# Altium PCB PCBV3.PcbDoc (part 2 of 3) (continued)
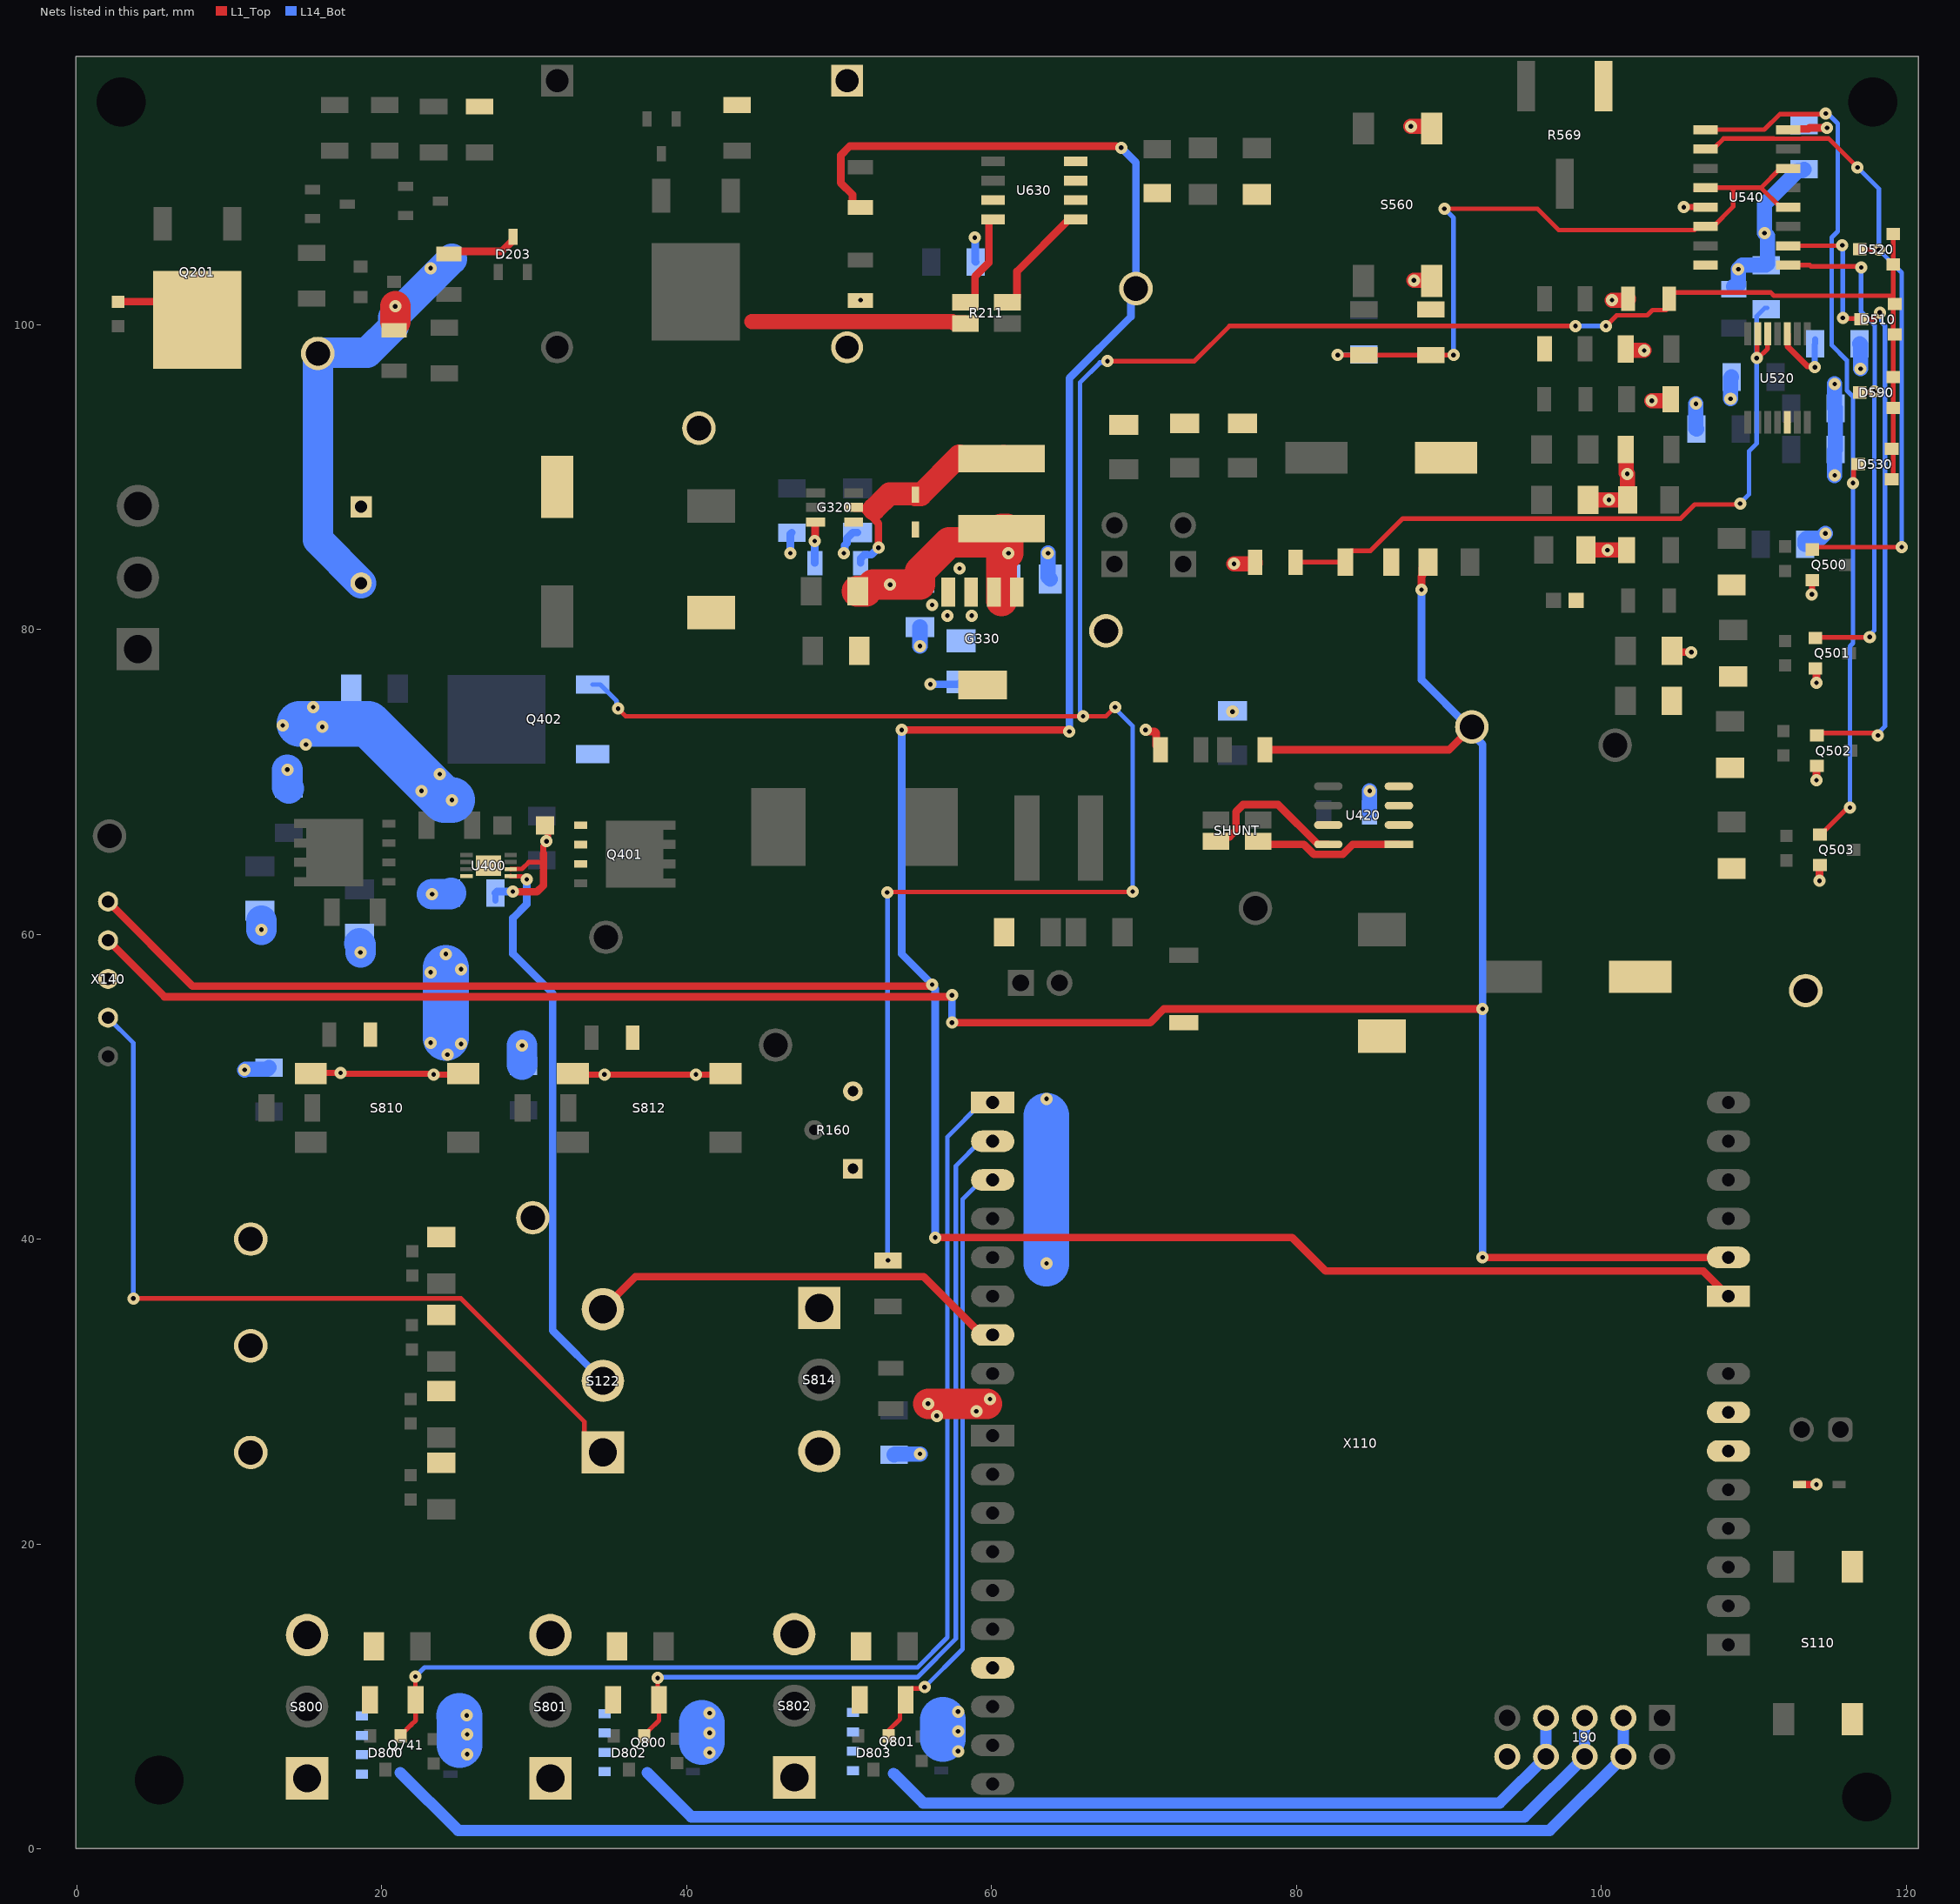
[diagram p2: the nets of this part, all layers, seen from the top]
## Part data (continued)
  S122: MPN=500SSP1S2M2QEA
SHUNT: library part 644055, "RES / STD / 15mR / 500mW / 1% / 75ppm/K / -55°C to 155°C / 1206 (3216) / SMD / -", Manufacturer=Ohmite, Package Description="Resistor, SMD, 4 pin, 3.00 mm L X 1.60 mm W X 0.65 mm H body", Supplier Part Number 1=3274221, Temperature max=155, Temperature min=-55, Temperature Range=Military, Tolerance Neg=1%, Alternate View=Yes, Application=Precision, Article Number=644055, Automotive Qualified=No, Combined Parameters=TCR:75ppm/K;Tol.:-1%/+1%;Vdc:-;Idc:-;P:500mW, ComponentLink1Description="Vendor WebSite", ComponentLink1URL=http://www.ohmite.com, ComponentLink2Description=Datasheet, ComponentLink2URL=http://webnetprod.muc.infineon.com/PCBPortal_Prod/WorkFlows/AltiumComponent/StandardDocumentation?Versionid=644056, ComponentStatus=Released, Manufacturer Order Number=L4T12FR015FER, Multiple Parts=No, PackageReference="1206 (3216)", Part Type=Resistor, PLMStatus=Active, QuickPick="15mR / 1% / 0.5 / 1206 (3216)", RoHS Compliant=Y, Second Source allowed=Yes, Style="4-Terminal (Shunt)", Supplier 1=Farnell, Supplier 2=DigiKey, Supplier 3=Mouser, Supplier Part Number 2=273-L4T12FR015FERCT-ND, Supplier Part Number 3=284-L4T12FR015FER, Symbol Type="Resistor; 4-Terminal (Shunt); Standard; 4 Pins", Technology="Thick Film", Tolerance Pos=1%, Type=Standard, Version Number=V01
TP100 TP101 TP104 TP105: library part 382410, "PC Test Point-Multipurpose THT, Black", Legacy PartNumber=CON01500530, Manufacturer="Keystone Electronics Corp.", Package Description="Test Point, 1.78 mm Lead Width, Round, 3.17 mm Dia X 8.28 mm H body", Supplier Part Number 1=2431148, Temperature max=0, Temperature Range=Military, Voltage DC (max)=na, Alternate View=Yes, Application=Test, Article Number=382410, Automotive Qualified=No, Combined Parameters="Board-to-Cable None (onboard);1x1;Mounting:THT;Orient:0° (vertical);Shielded:No", ComponentLink1Description="Vendor WebSite", ComponentLink1URL=http://www.keyelco.com/, ComponentLink2Description=Datasheet, ComponentLink2URL=http://webnetprod.muc.infineon.com/PCBPortal_Prod/WorkFlows/AltiumComponent/StandardDocumentation?Versionid=382411, ComponentStatus=Released, Legacy DeviceID=KEY_5011, Manufacturer Order Number=5011, Multiple Parts=No, Part Type=Connector, PLMStatus=Active, QuickPick="0° (vertical) / Board-to-Cable", RoHS Compliant=Y, Second Source allowed=Yes, Style="Not Applicable", Supplier 1=Farnell, Supplier 2=DigiKey, Supplier 3=Mouser, Supplier Part Number 2=36-5011-ND, Supplier Part Number 3=534-5011, Symbol Type="Connector, 1 Lead, Female", Temperature min=0, Type=Board-to-Cable, Version Number=V01
TP102 TP103: library part 382410, "PC Test Point-Multipurpose THT, Black", LCSC Part #=C238127, Legacy PartNumber=CON01500530, Manufacturer="Keystone Electronics Corp.", Package Description="Test Point, 1.78 mm Lead Width, Round, 3.17 mm Dia X 8.28 mm H body", Supplier Part Number 1=2431148, Temperature max=0, Temperature Range=Military, Voltage DC (max)=na, Alternate View=Yes, Application=Test, Article Number=382410, Automotive Qualified=No, Combined Parameters="Board-to-Cable None (onboard);1x1;Mounting:THT;Orient:0° (vertical);Shielded:No", ComponentLink1Description="Vendor WebSite", ComponentLink1URL=http://www.keyelco.com/, ComponentLink2Description=Datasheet, ComponentLink2URL=http://webnetprod.muc.infineon.com/PCBPortal_Prod/WorkFlows/AltiumComponent/StandardDocumentation?Versionid=382411, ComponentStatus=Released, Legacy DeviceID=KEY_5011, Manufacturer Order Number=5011, Multiple Parts=No, Part Type=Connector, PLMStatus=Active, QuickPick="0° (vertical) / Board-to-Cable", RoHS Compliant=Y, Second Source allowed=Yes, Style="Not Applicable", Supplier 1=Farnell, Supplier 2=DigiKey, Supplier 3=Mouser, Supplier Part Number 2=36-5011-ND, Supplier Part Number 3=534-5011, Symbol Type="Connector, 1 Lead, Female", Temperature min=0, Type=Board-to-Cable, Version Number=V01
  TP102: MPN=5011
TP160: library part 382400, "PC Test Point-Multipurpose THT, Red", LCSC Part #=C2906765, Legacy PartNumber=CON01500529, Manufacturer="Keystone Electronics Corp.", Package Description="Test Point, 1.78 mm Lead Width, Round, 3.17 mm Dia X 8.28 mm H body", Supplier Part Number 1=2301288, Temperature max=0, Temperature Range=Military, Voltage DC (max)=na, Alternate View=Yes, Application=Test, Article Number=382400, Automotive Qualified=No, Combined Parameters="Board-to-Cable None (onboard);1x1;Mounting:THT;Orient:0° (vertical);Shielded:No", ComponentLink1Description="Vendor WebSite", ComponentLink1URL=http://www.keyelco.com/, ComponentLink2Description=Datasheet, ComponentLink2URL=http://webnetprod.muc.infineon.com/PCBPortal_Prod/WorkFlows/AltiumComponent/StandardDocumentation?Versionid=382401, ComponentStatus=Released, Legacy DeviceID=KEY_5010, Manufacturer Order Number=5010, MPN=5010, Multiple Parts=No, Part Type=Connector, PLMStatus=Active, QuickPick="0° (vertical) / Board-to-Cable", RoHS Compliant=Y, Second Source allowed=Yes, Style="Not Applicable", Supplier 1=Farnell, Supplier 2=DigiKey, Supplier 3=Mouser, Supplier Part Number 2=36-5010-ND, Supplier Part Number 3=534-5010, Symbol Type="Connector, 1 Lead, Female", Temperature min=0, Type=Board-to-Cable, Version Number=V01
TP211 TP320 TP400 TP401 TP431 TP532 TP600 TP630: library part 382400, "PC Test Point-Multipurpose THT, Red", Legacy PartNumber=CON01500529, Manufacturer="Keystone Electronics Corp.", Package Description="Test Point, 1.78 mm Lead Width, Round, 3.17 mm Dia X 8.28 mm H body", Supplier Part Number 1=2301288, Temperature max=0, Temperature Range=Military, Voltage DC (max)=na, Alternate View=Yes, Application=Test, Article Number=382400, Automotive Qualified=No, Combined Parameters="Board-to-Cable None (onboard);1x1;Mounting:THT;Orient:0° (vertical);Shielded:No", ComponentLink1Description="Vendor WebSite", ComponentLink1URL=http://www.keyelco.com/, ComponentLink2Description=Datasheet, ComponentLink2URL=http://webnetprod.muc.infineon.com/PCBPortal_Prod/WorkFlows/AltiumComponent/StandardDocumentation?Versionid=382401, ComponentStatus=Released, Legacy DeviceID=KEY_5010, Manufacturer Order Number=5010, Multiple Parts=No, Part Type=Connector, PLMStatus=Active, QuickPick="0° (vertical) / Board-to-Cable", RoHS Compliant=Y, Second Source allowed=Yes, Style="Not Applicable", Supplier 1=Farnell, Supplier 2=DigiKey, Supplier 3=Mouser, Supplier Part Number 2=36-5010-ND, Supplier Part Number 3=534-5010, Symbol Type="Connector, 1 Lead, Female", Temperature min=0, Type=Board-to-Cable, Version Number=V01
U400: "High Speed Synchronous N-Channel MOSFET Driver", LCSC Part #=C580913, MPN=LTC4449EDCB#TRMPBF, Package=None, Supplier Part Number 1=584-C4449EDCBTRMPBF, Availability=Unavailable, MP=LTC4449EDCBTRMPBF, Price=None, Supplier 1=Mouser
U420: library part CMP-12131-000017-1, "IC CURRENT SENSE 1 CIRCUIT 8SOIC", LCSC Part #=C4370994, MPN=TSC2010HYDT
U520: library part 409035, "Quad Differential Comparator", Legacy PartNumber=IC02600564, Manufacturer="Texas Instruments", Supplier Part Number 1=2436009, Temperature max=0, Temperature Range=Military, Voltage DC (max)=na, Alternate View=Yes, Article Number=409035, Automotive Qualified=No, Combined Parameters=Res.:-;Fmax:-, ComponentLink1Description="Vendor WebSite", ComponentLink1URL=http://www.ti.com, ComponentLink2Description=Datasheet, ComponentLink2URL=http://webnetprod.muc.infineon.com/PCBPortal_Prod/WorkFlows/AltiumComponent/StandardDocumentation?Versionid=409036, ComponentStatus=Released, Legacy DeviceID=TI_LM339, Manufacturer Order Number=LM339PWR, MPN=LM339PWR, PackageReference="TSSOP-14 (PW)", Part Type="Analog Parts", PLMStatus=Active, QuickPick="TSSOP-14 (PW)", Second Source allowed=Yes, Supplier 1=Farnell, Supplier 2=DigiKey, Supplier 3=Mouser, Supplier Part Number 2=296-6607-2-ND, Supplier Part Number 3=595-LM339PWR, Symbol Type="Quad Differential Comparator", Temperature min=0, Version Number=V01
U540: library part 648079, "Quad R/S latch with 3-state outputs", Manufacturer=Nexperia, Package Description="SOIC,1.27mm pitch;16 pin,3.90mm W X 9.90mm L X 1.75mm H body", Temperature max=85, Temperature min=-40, Temperature Range=Industrial, Voltage DC (max)=na, Alternate View=No, Article Number=648079, Automotive Qualified=No, Combined Parameters="- Digital;Vdc min/max:3V/15V;Iout:2.4mA;Fmax:-", ComponentLink1Description="Vendor WebSite", ComponentLink1URL=http://www.nexperia.com, ComponentLink2Description=Datasheet, ComponentLink2URL=http://webnetprod.muc.infineon.com/PCBPortal_Prod/WorkFlows/AltiumComponent/StandardDocumentation?Versionid=648080, ComponentStatus=Released, Legacy DeviceID=NEX_HEF4043BT,653, Manufacturer Order Number=HEF4043BT,653, MPN=HEF4043BT,653, Multiple Parts=No, PackageReference=SO-16, Part Type="Integrated Circuit", PLMStatus=Active, QuickPick=SO-16, RoHS Compliant=Y, Second Source allowed=Yes, Supplier 1=Farnell, Supplier 2=DigiKey, Supplier 3=Mouser, Supplier Part Number 2=1727-1799-1-ND, Supplier Part Number 3=771-HEF4043BT653, Symbol Type="Quad R/S latch with 3-state outputs", Type=Digital, Version Number=V00
U630: "Integrated Circuit", Manufacturer_Name=STMicroelectronics, Mouser Part Number=511-TSC2011HYDT, Arrow Part Number=TSC2011HYDT, Arrow Price/Stock=https://www.arrow.com/en/products/tsc2011hydt/stmicroelectronics?utm_currency=USD&region=nac, Datasheet Link=https://www.st.com/resource/en/datasheet/tsc2010h.pdf, Height=1.75mm, Manufacturer_Part_Number=TSC2011HYDT, Mouser Price/Stock=https://www.mouser.co.uk/ProductDetail/STMicroelectronics/TSC2011HYDT?qs=XAiT9M5g4x%2FISpfhIc7UDw%3D%3D, MPN=TSC2011HYDT
X100: library part 377341, "Banana Socket, Red, 17.5mm Pitch", Legacy PartNumber=CON01500041, Manufacturer="Hirschmann Test & Measurement", Manufacturer Component Status=Active, MPN=973582101, Package Description="Banana Jack, 2 pins, 17.5mm Pitch, 21mm L X 7.5mm W X 10.5mm H body", Supplier Part Number 1=497332, Temperature max=85, Temperature min=-25, Temperature Range=Military, Voltage DC (max)=na, Article Number=377341, Combined Parameters="Board-to-Cable Socket (female);2x1;Mounting:THT;Orient:90° (right angle);Shielded:No", ComponentLink1Description="Vendor WebSite", ComponentLink1URL=http://www.sks-kontakt.de/, ComponentLink2Description=Datasheet, ComponentLink2URL=http://webnetprod.muc.infineon.com/PCBPortal_Prod/WorkFlows/AltiumComponent/StandardDocumentation?Versionid=377342, ComponentStatus=Released, Legacy DeviceID="HTM_973 582- 101", Manufacturer Order Number="973 582-101", Part Type=Connector, PLMStatus=Active, QuickPick="90° (right angle) / Board-to-Cable", RoHS Compliant=N, Second Source allowed=Yes, Style=Banana, Supplier 1=Farnell, Supplier 2=DigiKey, Supplier 3=Mouser, Supplier Part Number 3=845-973582101, Symbol Type="Banana Socket 2 Pins", Type=Board-to-Cable, Version Number=V01
X101: library part 377401, "Banana Socket, black, 17.5mm Pitch", Legacy PartNumber=CON01500045, Manufacturer="Hirschmann Test & Measurement", Manufacturer Component Status=Active, MPN=973582100, Package Description="Banana Jack, 2 pins, 17.5mm Pitch, 21mm L X 7.5mm W X 10.5mm H body", Supplier Part Number 1=497344, Temperature max=85, Temperature min=-25, Temperature Range=Military, Voltage DC (max)=na, Article Number=377401, Automotive Qualified=No, Combined Parameters="Board-to-Cable Socket (female);-x-;Mounting:THT;Orient:90° (right angle);Shielded:No", ComponentLink1Description="Vendor WebSite", ComponentLink1URL=http://www.sks-kontakt.de/, ComponentLink2Description=Datasheet, ComponentLink2URL=http://webnetprod.muc.infineon.com/PCBPortal_Prod/WorkFlows/AltiumComponent/StandardDocumentation?Versionid=377402, ComponentStatus=Released, Legacy DeviceID="HTM_973 582- 100", Manufacturer Order Number="973 582-100", Part Type=Connector, PLMStatus=Active, QuickPick="90° (right angle) / Board-to-Cable", RoHS Compliant=N, Second Source allowed=Yes, Style=Banana, Supplier 1=Farnell, Supplier 2=DigiKey, Supplier 3=Mouser, Supplier Part Number 3=845-973582100, Symbol Type="Banana Socket 2 Pins", Type=Board-to-Cable, Version Number=V01
X110: library part 644888, "Arduino Uno is a microcontroller board based on the ATmega328P", Manufacturer="Infineon Technologies", Package Description="Arduino-Uno, THT, 32 Pin, 68.58 mm L X 53.34 mm W X 8.64 mm H body", Temperature max=85, Temperature min=-40, Temperature Range=Industrial, Voltage DC (max)=na, Alternate View=Yes, Article Number=644888, Automotive Qualified=No, Combined Parameters="Board-to-Board Socket (female);-x-;Mounting:THT;Orient:0° (vertical);Shielded:-", ComponentLink1Description="Vendor WebSite", ComponentLink1URL=https://www.infineon.com/, ComponentLink2Description=Datasheet, ComponentStatus=Released, Legacy DeviceID=Infineon_Arduino-Uno, Manufacturer Order Number=Arduino-Uno, Multiple Parts=Yes, PackageReference=THT, Part Type=Connector, PLMStatus=Active, QuickPick="0° (vertical) / Board-to-Board", RoHS Compliant=N, Second Source allowed=Yes, Supplier 1=Farnell, Supplier 2=DigiKey, Supplier 3=Mouser, Symbol Type="Arduino Uno is a microcontroller board based on the ATmega328P", Type=Board-to-Board, Version Number=V01
X140: "Connector", Manufacturer_Name=SAMTEC, Datasheet Link=http://suddendocs.samtec.com/prints/ces-1xx-xx-x-s-xx-mkt.pdf, Manufacturer_Part_Number=CES-105-01-L-S, MPN=CES-105-01-L-S

## Via types
v1: diameter 0.8, hole 0.3, L1_Top to L14_Bot, tented both sides, 244 vias

## Nets (pads, with @x,y where several pads share a name; then routed paths per layer and width w, separated by ;. In a path a pad name is that pad's centre, name@x,y a point inside that pad or via, vN(x,y) a via of type N, cw(c..) or ccw(c..) an arc to the next point about the centre after c; other vN are vias at no path point)
5V: C332.1 C400.2 C520.1 C540.2 D112.2 D400.2 G330.3 G330.4 Q402.3 Q500.2 Q501.2 Q502.2 Q503.2 R160.3 R500.2 R501.2 R503.2 R504.2 R509.2 R527.2 R532.2 R560.2 R562.2 R565.2 R611.2 R636.2 S560.3 S560.4 S800.3 S801.3 S802.3 S810.3 S810.4 S812.3 S812.4 S814.3 TP320.1 U400.6 U520.3 U540.5 U540.16 | length 69.2
  L1_Top w0.3: U400.6@28.448,64.271 28.458,64.282 29.192,64.282 29.639,64.729 30.6,64.729 ; v1(70.1,73.4) v1@70.196,73.304 ; R611.2@70.799,72.375 R611.2@71.074,72.1 ; R500.2@104.626,78.6 R500.2@104.726,78.5 ; Q501.2@114.04,77.44 Q501.2@114.1,77.38 ; Q502.2@114.1,71 Q502.2@114.14,71.04 ; Q503.2@114.3,64.5 Q503.2@114.34,64.54
  L1_Top w0.4: S800.3@15.096,14.022 S800.3@15.55,14.476 ; S810.4@15.339,50.85 15.389,50.9 v1(17.3,50.9) 17.35,50.85 23.35,50.85 v1(23.4,50.8) 25.289,50.8 S810.3@25.339,50.85 ; 30.6,65.3 30.6,65.792 30.8,65.992 30.8,66.208 30.9,66.308 30.9,66.5 ; S812.4@32.539,50.85 32.589,50.8 S812.3@42.231,50.8 ; S802.3@46.631,14.506 S802.3@47.056,14.081 ; R562.2@99.05,85.45 R562.2@99.1,85.4 ; v1(105.4,107.7) 105.403,107.703 106.837,107.703 U540.5@106.84,107.705 ; U520.3@112.202,99.39 112.227,99.365 112.227,98.545 113.495,97.277 113.923,97.277 v1(114,97.2) ; v1(113.8,82.3) 113.82,82.32 113.82,83.22 Q500.2@113.84,83.24
  L1_Top w0.5: v1(28.6,62.8) 28.621,62.779 30.179,62.779 30.6,63.2 30.6,64.729 30.6,65.3 ; v1@70.196,73.304 70.696,73.304 70.799,73.201 R611.2@70.799,72.375 ; R500.2@104.726,78.5 v1(105.9,78.5) ; U540.16@112.24,112.785 112.29,112.835 113.585,112.835 113.65,112.9 v1(114.8,112.9) ; D112.2@113,23.9 v1(114.1,23.9) ; v1(114.1,70.1) Q502.2@114.1,71 ; v1(114.1,76.5) Q501.2@114.1,77.38 ; v1(114.3,63.5) Q503.2@114.3,64.5
  L1_Top w1: v1(75.9,84.3) 77.256,84.3 77.278,84.322 R504.2@77.278,84.41 ; v1(87.5,113) 88.74,113 S560.4@88.877,112.863 ; v1(87.7,102.9) 88.84,102.9 S560.3@88.877,102.863 ; R562.2@98.975,85.2 v1(100.4,85.2) R527.2@101.65,85.2 ; R560.2@99.126,88.5 v1(100.5,88.5) R532.2@101.725,88.5 101.7,88.525 v1(101.7,90.2) 101.625,90.275 101.625,91.775 R501.2@101.6,91.8 ; v1(100.7,101.6) 101.7,101.6 101.75,101.65 R503.2@101.75,101.7 ; R509.2@101.6,98.4 101.6,98.325 101.625,98.3 v1(102.8,98.3) ; v1(103.3,95) 104.5,95 104.55,95.05 R565.2@104.55,95.1
  L1_Top w2: v1(55.829,29.2) v1@59.7,29.2
  L14_Bot w0.4: C400.2@27.45,62.2 C400.2@27.45,62.5 ; S802.3@47.056,14.081 S802.3@47.511,14.535 ; S814.3@48.7,26.077 S814.3@48.7,26.3 ; v1(114,97.2) 114,98.705 C520.1@114.033,98.738 C520.1@114.033,99.038
  L14_Bot w0.5: C400.2@27.45,62.7 27.55,62.8 v1(28.6,62.8)
  other v1: 56.4,28.4 59,28.7 59.9,29.5 34.6,50.8 40.6,50.8 30.8,66.1 57.1,80.9 58.7,80.9 56.1,81.6 57.9,84 51.4,101.6
\Cntrl1: D800.1 R100.1 X110.1D | length 77.4
  L1_Top w0.3: D800.1@21.496,7.1 21.246,7.35 D800.1@21.246,7.4 21.246,7.45 21.92,8.124 21.926,8.124 22.221,8.419 R100.1@22.221,9.769 22.2,9.789 v1(22.2,11.3)
  L14_Bot w0.3: v1(22.2,11.3) 22.202,11.3 22.802,11.9 55.14,11.9 57.1,13.86 57.1,46.694 59.358,48.952 X110.1D@60.07,48.952
\Cntrl2: D802.1 R101.1 X110.2D | length 59.4
  L1_Top w0.3: D802.1@37.456,7.1 37.206,7.35 D802.1@37.206,7.4 37.206,7.45 37.881,8.124 37.887,8.124 38.181,8.418 R101.1@38.181,9.768 38.1,9.85 v1(38.1,11.2)
  L14_Bot w0.3: v1(38.1,11.2) 38.15,11.25 55.126,11.25 57.653,13.776 57.653,44.8 59.265,46.412 X110.2D@60.07,46.412
\Cntrl3: D803.1 R102.1 X110.3D | length 39.8
  L1_Top w0.3: D803.1@53.256,7.785 53.981,8.51 53.981,9.394 R102.1@54.356,9.769 54.356,10.144 54.731,10.519 55.519,10.519 v1(55.6,10.6)
  L14_Bot w0.3: v1(55.6,10.6) 58.103,13.103 58.103,42.616 59.358,43.872 X110.3D@60.07,43.872
\Flag_Overcurr: D520.3 Q500.1 U540.2 | length 44.4
  L1_Top w0.3: U540.2@106.852,111.528 U540.2@106.84,111.515 107.34,111.515 107.49,111.665 107.49,111.669 108.021,112.2 111.301,112.2 111.316,112.185 113.164,112.185 113.179,112.2 114.9,112.2 v1(116.8,110.3) ; Q500.1@113.84,85.24 114,85.4 v1(119.7,85.4) ; D520.3@116.94,104.94 116.96,104.92 118.18,104.92 v1(118.2,104.9)
  L14_Bot w0.3: v1(116.8,110.3) 118.2,108.9 v1(118.2,104.9) 119.7,103.4 v1(119.7,85.4)
\Flag_Overtemp_Ext: D510.3 Q502.1 U540.10 | length 43.2
  L1_Top w0.3: U540.10@112.24,105.165 115.765,105.165 v1(115.8,105.2) ; Q502.1@114.14,73.04 114.3,73.2 117.845,73.2 118.005,73.04 v1(118.14,73.04) ; v1(115.835,100.435) 115.883,100.388 116.992,100.388 D510.3@117.04,100.34 117.893,100.34 118.261,100.708 v1(118.261,100.789)
  L14_Bot w0.3: v1(115.8,105.2) 115.835,105.165 v1(115.835,100.435) ; v1@118.123,73.078 118.123,73.158 118.6,73.635 118.6,99.919 118.357,100.162 118.357,100.693 v1(118.261,100.789)
\Flag_Overtemp_Int: D530.3 Q503.1 U540.1 | length 59.2
  L1_Top w0.3: U540.1@106.84,112.785 110.685,112.785 111.704,113.804 114.675,113.804 v1(114.717,113.846) ; Q503.1@114.34,66.54 114.39,66.54 115.954,68.104 115.969,68.104 116.165,68.3 v1(116.3,68.3) ; v1(116.5,89.6) 116.54,89.64 116.54,90.59 116.79,90.84 D530.3@116.84,90.84
  L14_Bot w0.3: v1(114.717,113.846) 114.844,113.846 115.5,113.19 115.5,106.119 115.1,105.719 115.1,98.647 116.1,97.647 116.1,95.674 116.5,95.274 116.5,79.098 116.3,78.898 v1(116.3,68.3)
\Flag_Undervolt: D590.3 Q501.1 U540.9 | length 34.5
  L1_Top w0.3: U540.9@112.24,103.895 112.245,103.9 113.671,103.9 113.754,103.818 116.962,103.818 v1(117.04,103.74) ; Q501.1@114.09,79.49 Q501.1@114.04,79.44 114.07,79.47 117.57,79.47 v1(117.6,79.5) ; D590.3@117.009,95.609 D590.3@116.94,95.54 116.97,95.57 117.87,95.57 v1(117.9,95.6)
  L14_Bot w0.3: v1@117.158,103.778 117.023,103.778 117.023,100.859 117.935,99.947 117.935,95.635 v1(117.9,95.6) 117.9,79.935 117.6,79.635 v1(117.6,79.5)
\Shutdown: D510.1 D510.2 D520.1 D520.2 D530.1 D530.2 D590.1 D590.2 Q402.1 R112.1 R503.1 | length 183.6
  L1_Top w0.3: v1(35.5,74.8) 36,74.3 v1(66,74.3) 67.5,74.3 v1(68.1,74.9) ; R112.1@52.65,38.954 53.025,38.579 53.046,38.6 v1(53.2,38.6) ; v1(53.15,62.736) 53.182,62.768 69.218,62.768 v1(69.25,62.8) ; v1(67.6,97.6) 73.3,97.6 75.6,99.9 v1(98.3,99.9) ; v1(100.3,99.9) 101,100.6 103,100.6 103.35,100.95 104.225,100.95 104.6,101.325 104.6,101.95 104.75,102.1 111.1,102.1 111.305,101.895 119.14,101.895 ; D530.1@119.04,89.84 119.14,89.94 D590.1@119.14,94.54 D590.2@119.14,96.54 119.14,101.24 D510.2@119.24,101.34 ; D510.2@119.14,101.34 119.14,101.895 ; D520.2@119.14,105.94 D520.1@119.14,103.94 119.14,101.895
  L14_Bot w0.3: Q402.1@33.82,76.38 34.32,76.38 35.404,75.296 35.404,74.896 v1(35.5,74.8) ; v1(53.15,62.736) 53.175,62.711 53.175,38.625 v1(53.2,38.6) ; v1(66,74.3) 66,74.435 65.8,74.635 65.8,96.2 67.104,97.504 67.504,97.504 v1(67.6,97.6) ; v1(68.1,74.9) 68.1,74.807 69.25,73.657 v1(69.25,62.8) ; v1(98.3,99.9) v1(100.3,99.9)
Buck_Cntrl: S122.2 TP400.1 U400.5 | length 36.9
  L1_Top w0.3: U400.5@28.448,63.814 28.458,63.804 29.161,63.804 29.365,63.6 v1(29.5,63.6)
  L1_Top w0.5: S122.2@34.5,30.7 S122.2@34.55,30.75
  L14_Bot w0.5: v1(29.5,63.6) 29.5,61.961 28.6,61.061 28.6,58.721 31.2,56.121 31.2,34 S122.2@34.5,30.7
Buck_Cntrl_Arduino: S122.3 X110.7D | length 28
  L1_Top w0.5: S122.3@34.5,35.4 36.638,37.538 55.533,37.538 59.358,33.712 X110.7D@60.07,33.712
Buck_Cntrl_Ext: S122.1 X140.4 | length 54.6
  L1_Top w0.3: v1(3.7,36.1) 25.2,36.1 33.284,28.016 33.284,27.216 S122.1@34.5,26
  L14_Bot w0.3: X140.4@2.039,54.521 3.7,52.861 v1(3.7,36.1)
Curr_In+: R211.4 U630.8 | length 6.5
  L1_Top w0.5: R211.4@58.285,101.46 R211.4@58.61,101.46 ; R211.4@58.76,101.36 58.91,101.51 58.91,103.149 59.825,104.064 59.825,106.82 59.9,106.895 U630.8@60.088,106.895
Curr_In-: R211.3 U630.1 | length 8.5
  L1_Top w0.5: R211.3@60.71,101.46 R211.3@61.035,101.46 ; R211.3@61.31,101.185 R211.3@61.035,101.46 ; U630.1@65.512,106.895 65.075,106.895 61.66,103.48 61.66,101.76 61.36,101.46 R211.3@61.035,101.46
Curr_Thresh: C505.2 R504.1 R505.2 U520.5 U520.6 | length 48.1
  L1_Top w0.3: R504.1@80.104,84.41 R505.2@83.204,84.41 83.204,84.785 83.579,85.16 84.86,85.16 86.971,87.271 105.195,87.271 106.114,88.19 109.036,88.19 v1(109.1,88.254) ; v1(110.183,97.8) 110.3,97.8 110.902,98.402 U520.5@110.902,99.39 ; v1@110.252,97.848 110.217,97.883 110.217,98.867 U520.6@110.252,98.902 ; U520.6@110.252,99.39 U520.6@110.252,98.902 ; U520.6@110.327,98.8 110.252,98.875 U520.6@110.252,98.902
  L14_Bot w0.3: v1(109.1,88.254) 109.1,88.278 109.689,88.867 109.689,91.689 110.183,92.183 v1(110.183,97.8) ; v1@110.241,97.859 110.183,97.917 110.183,100.546 110.725,101.088 C505.2@110.883,101.088
Fault_Reset: C500.2 R507.1 R508.1 U540.4 U540.6 U540.12 U540.14 | length 49
  L1_Top w0.3: v1(82.7,98) 84.392,98 R507.1@84.405,97.988 R508.1@88.818,97.988 88.83,98 v1(90.3,98) ; v1(89.7,107.6) 95.8,107.6 97.2,106.2 106.105,106.2 106.34,106.435 U540.6@106.84,106.435 ; U540.4@106.19,108.825 106.34,108.975 U540.4@106.84,108.975 108.64,108.975 ; U540.6@107.34,106.435 108.64,107.735 108.64,108.975 ; U540.12@112.24,107.705 111.74,107.705 110.47,108.975 ; U540.14@112.24,110.245 111.74,110.245 110.47,108.975 ; 108.64,108.975 110.47,108.975
  L14_Bot w0.3: v1(82.7,98) 84.367,98 C500.2@84.405,98.038 ; v1(89.7,107.6) 89.7,107.598 90.3,106.998 v1(90.3,98)
GND: 190.10 C210.2 C212.2 C213.1 C220.2 C221.1 C320.1 C321.1 C324.1 C331.2 C332.2 C400.1 C404.1 C505.1 C506.2 C520.2 C521.1 C530.1 C533.1 C540.1 C560.1 C561.1 C600.2 C630.1 C700.1 C701.2 C710.1 C711.1 C712.1 C715.2 C811.1 C813.1 C814.1 D203.3 D211.2 D320.2 D730.2 D731.2 G320.1 G330.5 NTC.1 Q401.1 Q401.2 Q401.3 Q741.1 Q741.2 Q741.3 Q800.1 Q800.2 Q800.3 Q801.1 Q801.2 Q801.3 R100.2 R101.2 R102.2 R160.1 R200.1 R209.1 R210.1 R212.1 R221.1 R332.1 R402.1 R502.1 R505.1 R508.2 R511.1 R551.1 R552.1 R553.1 R554.1 R569.1 R722.1 R800.1 R801.1 R802.1 R803.1 R804.1 R805.1 R806.1 R810.1 R812.1 S110.1 S110.2 S800.1 S801.1 S802.1 S814.1 TP100.1 TP101.1 TP102.1 TP103.1 TP104.1 TP105.1 U400.4 U400.9 U420.2 U420.3 U420.4 U420.7 U520.12 U540.8 U630.2 U630.3 U630.4 U630.7 X101.1 X101.2 X110.6A X110.7A X110.7C X140.3 | length 107.9
  L1_Top w0.5: R210.1@24.399,104.801 27.874,104.801 28.599,105.526 D203.3@28.599,105.751
  L1_Top w2: v1(20.878,101.197) 20.878,100.222 20.9,100.2
  L14_Bot w0.5: v1(46.8,85) 46.8,86.25 C320.1@46.9,86.35 ; v1(50.3,85) 50.357,85.057 50.357,85.507 50.5,85.65 50.5,85.95 50.9,86.35 C321.1@51.2,86.35 ; v1(55.986,76.4) 57.85,76.4 C332.2@58,76.55 ; v1(58.9,105.7) 58.925,105.675 58.925,104.125 C630.1@58.95,104.1
  L14_Bot w1: v1(11,51.1) 11.05,51.15 12.5,51.15 C811.1@12.6,51.25 ; C814.1@53.6,25.85 53.65,25.9 v1(55.3,25.9) ; v1(55.3,78.9) C324.1@55.3,80.15 ; v1(63.7,85) 63.7,83.45 C331.2@63.85,83.3 ; C600.2@84.8,68 v1(84.8,69.4) ; v1(106.2,94.8) 106.2,93.171 C533.1@106.233,93.138 ; v1(108.47,95.13) 108.47,96.488 C521.1@108.536,96.554 ; C506.2@108.683,102.488 108.877,102.488 108.977,102.588 v1(108.977,103.63) 109.236,103.888 110.783,103.888 110.883,103.988 110.883,105.817 v1(110.7,106) 110.7,107.905 112.883,110.088 113.183,110.088 C540.1@113.283,110.188 ; C530.1@113.357,85.573 113.357,85.873 113.457,85.973 114.377,85.973 v1(114.695,86.29) ; v1(115.3,90.1) 115.3,91.75 C561.1@115.35,91.8 C560.1@115.35,94.5 115.3,94.55 v1(115.3,96.1) ; C520.2@116.933,98.738 117,98.671 v1(117,97.1)
  L14_Bot w2: v1(12.1,60.3) 12.1,60.9 ; v1(13.8,70.8) 13.8,69.65 C220.2@13.9,69.55 ; 18.535,59.39 18.6,59.325 v1(18.6,58.8) ; C210.2@18.64,83.04 15.799,85.881 TP102.1@15.799,98.101 15.838,98.14 19.027,98.14 20.761,99.873 20.761,100.461 24.6,104.3 ; v1(23.3,62.624) 24.474,62.624 C400.1@24.55,62.7 ; C813.1@29.2,51.45 v1(29.2,52.7)
  L14_Bot w3: 14.6,73.8 19.1,73.8 24.1,68.8 v1(24.6,68.8) ; 24.2,53.2 24.2,57.8 ; 25.084,8.716 25.1,8.7 25.1,6.8 ; 41,7 41,8.27 ; 56.8,7.2 56.8,8.47 ; v1(63.6,38.4) 63.6,48.1
  other v1: 25.6,6.2 41.5,6.3 57.8,6.4 25.6,7.5 41.5,7.6 57.8,7.7 25.565,8.748 41.5,8.9 57.8,9 63.6,49.2 24.3,52.1 25.2,52.8 23.201,52.88 23.2,57.5 25.2,57.7 24.2,58.7 22.6,69.4 23.8,70.5 15.025,72.443 16.1,73.6 13.5,73.7 75.8,74.6 15.5,74.9 23.2,103.7
Ind_Curr+: SHUNT.3 U420.8 | length 10.2
  L1_Top w0.5: SHUNT.3@74.725,66.1 75.025,66.4 75.616,66.4 76.025,66.809 76.025,68.041 76.484,68.5 78.798,68.5 81.403,65.895 U420.8@82.084,65.895
Ind_Curr-: SHUNT.4 U420.1 | length 9.9
  L1_Top w0.5: SHUNT.4@77.475,66.1 77.68,65.895 80.475,65.895 81.131,65.239 83.037,65.239 83.693,65.895 U420.1@86.716,65.895
Inductor_Current: R506.1 R610.2 TP600.1 X110.2B X140.2 | length 171.2
  L1_Top w0.5: X140.2@2.039,59.601 5.741,55.9 v1@57.3,55.9 ; v1(57.4,54.2) 70.4,54.2 71.3,55.1 v1(92.2,55.1) ; R610.2@77.926,72.1 90,72.1 TP600.1@91.5,73.6 ; v1(88.2,82.6) 88.2,83.467 88.254,83.522 88.254,84.035 R506.1@88.629,84.41 ; v1(92.2,38.8) 92.204,38.796 108.326,38.796 X110.2B@108.33,38.792
  L14_Bot w0.5: v1(57.4,54.2) v1(57.4,56) ; v1(88.2,82.6) 88.2,76.7 91.3,73.6 TP600.1@91.5,73.6 ; TP600.1@91.834,73.234 91.834,72.823 92.2,72.457 v1(92.2,55.1) v1(92.2,38.8)
Input_Current: R635.2 TP630.1 X110.1B X140.1 | length 218.6
  L1_Top w0.5: X140.1@2.039,62.141 7.581,56.6 55.788,56.6 55.83,56.643 56.043,56.643 v1(56.1,56.7) ; R635.2@51.4,107.674 51.107,107.674 50.879,107.902 50.879,108.521 50.1,109.3 50.1,111.1 50.7,111.7 68.188,111.7 68.23,111.657 68.443,111.657 v1(68.5,111.6) ; v1(54.1,73.4) 64.919,73.4 65.019,73.3 v1(65.1,73.3) ; v1(56.3,40.1) 79.705,40.1 81.905,37.9 106.682,37.9 X110.1B@108.33,36.252
  L14_Bot w0.5: v1(54.1,73.4) 54.1,58.7 v1(56.1,56.7) 56.1,56.619 56.3,56.419 v1(56.3,40.1) ; v1(65.1,73.3) 65.1,96.485 69.135,100.52 69.135,102.035 TP630.1@69.46,102.36 69.46,110.64 v1(68.5,111.6)
Load1: 190.3 190.4 Q741.5 Q741.6 Q741.7 Q741.8 | length 86.4
  L14_Bot w0.75: 21.2,5 25,1.2 96.598,1.2 190.4@101.44,6.042 190.3@101.44,8.582
Load2: 190.5 190.6 Q800.5 Q800.6 Q800.7 Q800.8 | length 66.9
  L14_Bot w0.75: 37.4,5 40.3,2.1 94.958,2.1 190.6@98.9,6.042 190.5@98.9,8.582
Load3: 190.7 190.8 Q801.5 Q801.6 Q801.7 Q801.8 | length 47.4
  L14_Bot w0.75: 53.566,4.945 55.511,3 93.318,3 190.8@96.36,6.042 190.7@96.36,8.582
NetC210_1: C210.1 D210.2 Q201.2 R211.2 | length 20.7
  L1_Top w0.5: D210.2@2.843,101.357 D210.2@2.7,101.5 6.701,101.5 Q201.2@7.899,100.301
  L1_Top w1: 44.273,100.2 57.427,100.2 57.517,100.11 58.235,100.11 R211.2@58.285,100.06
  L1_Top w2: Q201.2@7.899,100.301 Q201.2@8.399,99.801
NetC322_1: C322.1 G320.6 | length 2.7
  L1_Top w0.5: v1(48.4,85.8) 48.425,85.825 48.425,87.025 G320.6@48.45,87.05
  L14_Bot w0.5: C322.1@48.399,84.35 v1(48.4,85.8)
NetC322_2: C322.2 D320.1 G320.2 L320.1 | length 13.2
  L1_Top w0.5: G320.2@50.95,88 51,87.95 51.573,87.95 52.1,87.423 ; 52.1,87.893 52.1,87.423 ; 52.283,87.883 52.293,87.893 ; v1(52.579,85.356) 52.579,86.944 52.1,87.423
  L1_Top w1.5: 52.293,87.893 53.3,88.9 54.938,88.9 D320.1@55,88.838 55.338,88.838 L320.1@57.888,91.388 ; L320.1@60.65,91.199 L320.1@60.8,91.349
  L14_Bot w0.5: C322.2@51.399,84.35 51.399,84.65 51.649,84.9 52.123,84.9 v1(52.579,85.356)
NetC324_2: C324.2 C331.1 G330.1 G330.2 L320.2 R321.2 | length 20.3
  L1_Top w2: R321.2@51.15,82.5 51.772,82.5 52.208,82.936 v1(53.339,82.936) 55.308,82.936 55.308,83.808 57.2,85.7 L320.2@60.65,85.7 ; 60.65,81.85 60.65,84.55 v1(61.1,85) 61.1,86.499 61,86.599 L320.2@60.65,86.599
  L14_Bot w1: v1(53.339,82.936) 55.186,82.936 C324.2@55.3,83.05 ; C331.1@61.1,83.35 v1(61.1,85)